# KiCad board HVC-CPU-07.kicad_pcb (continued)
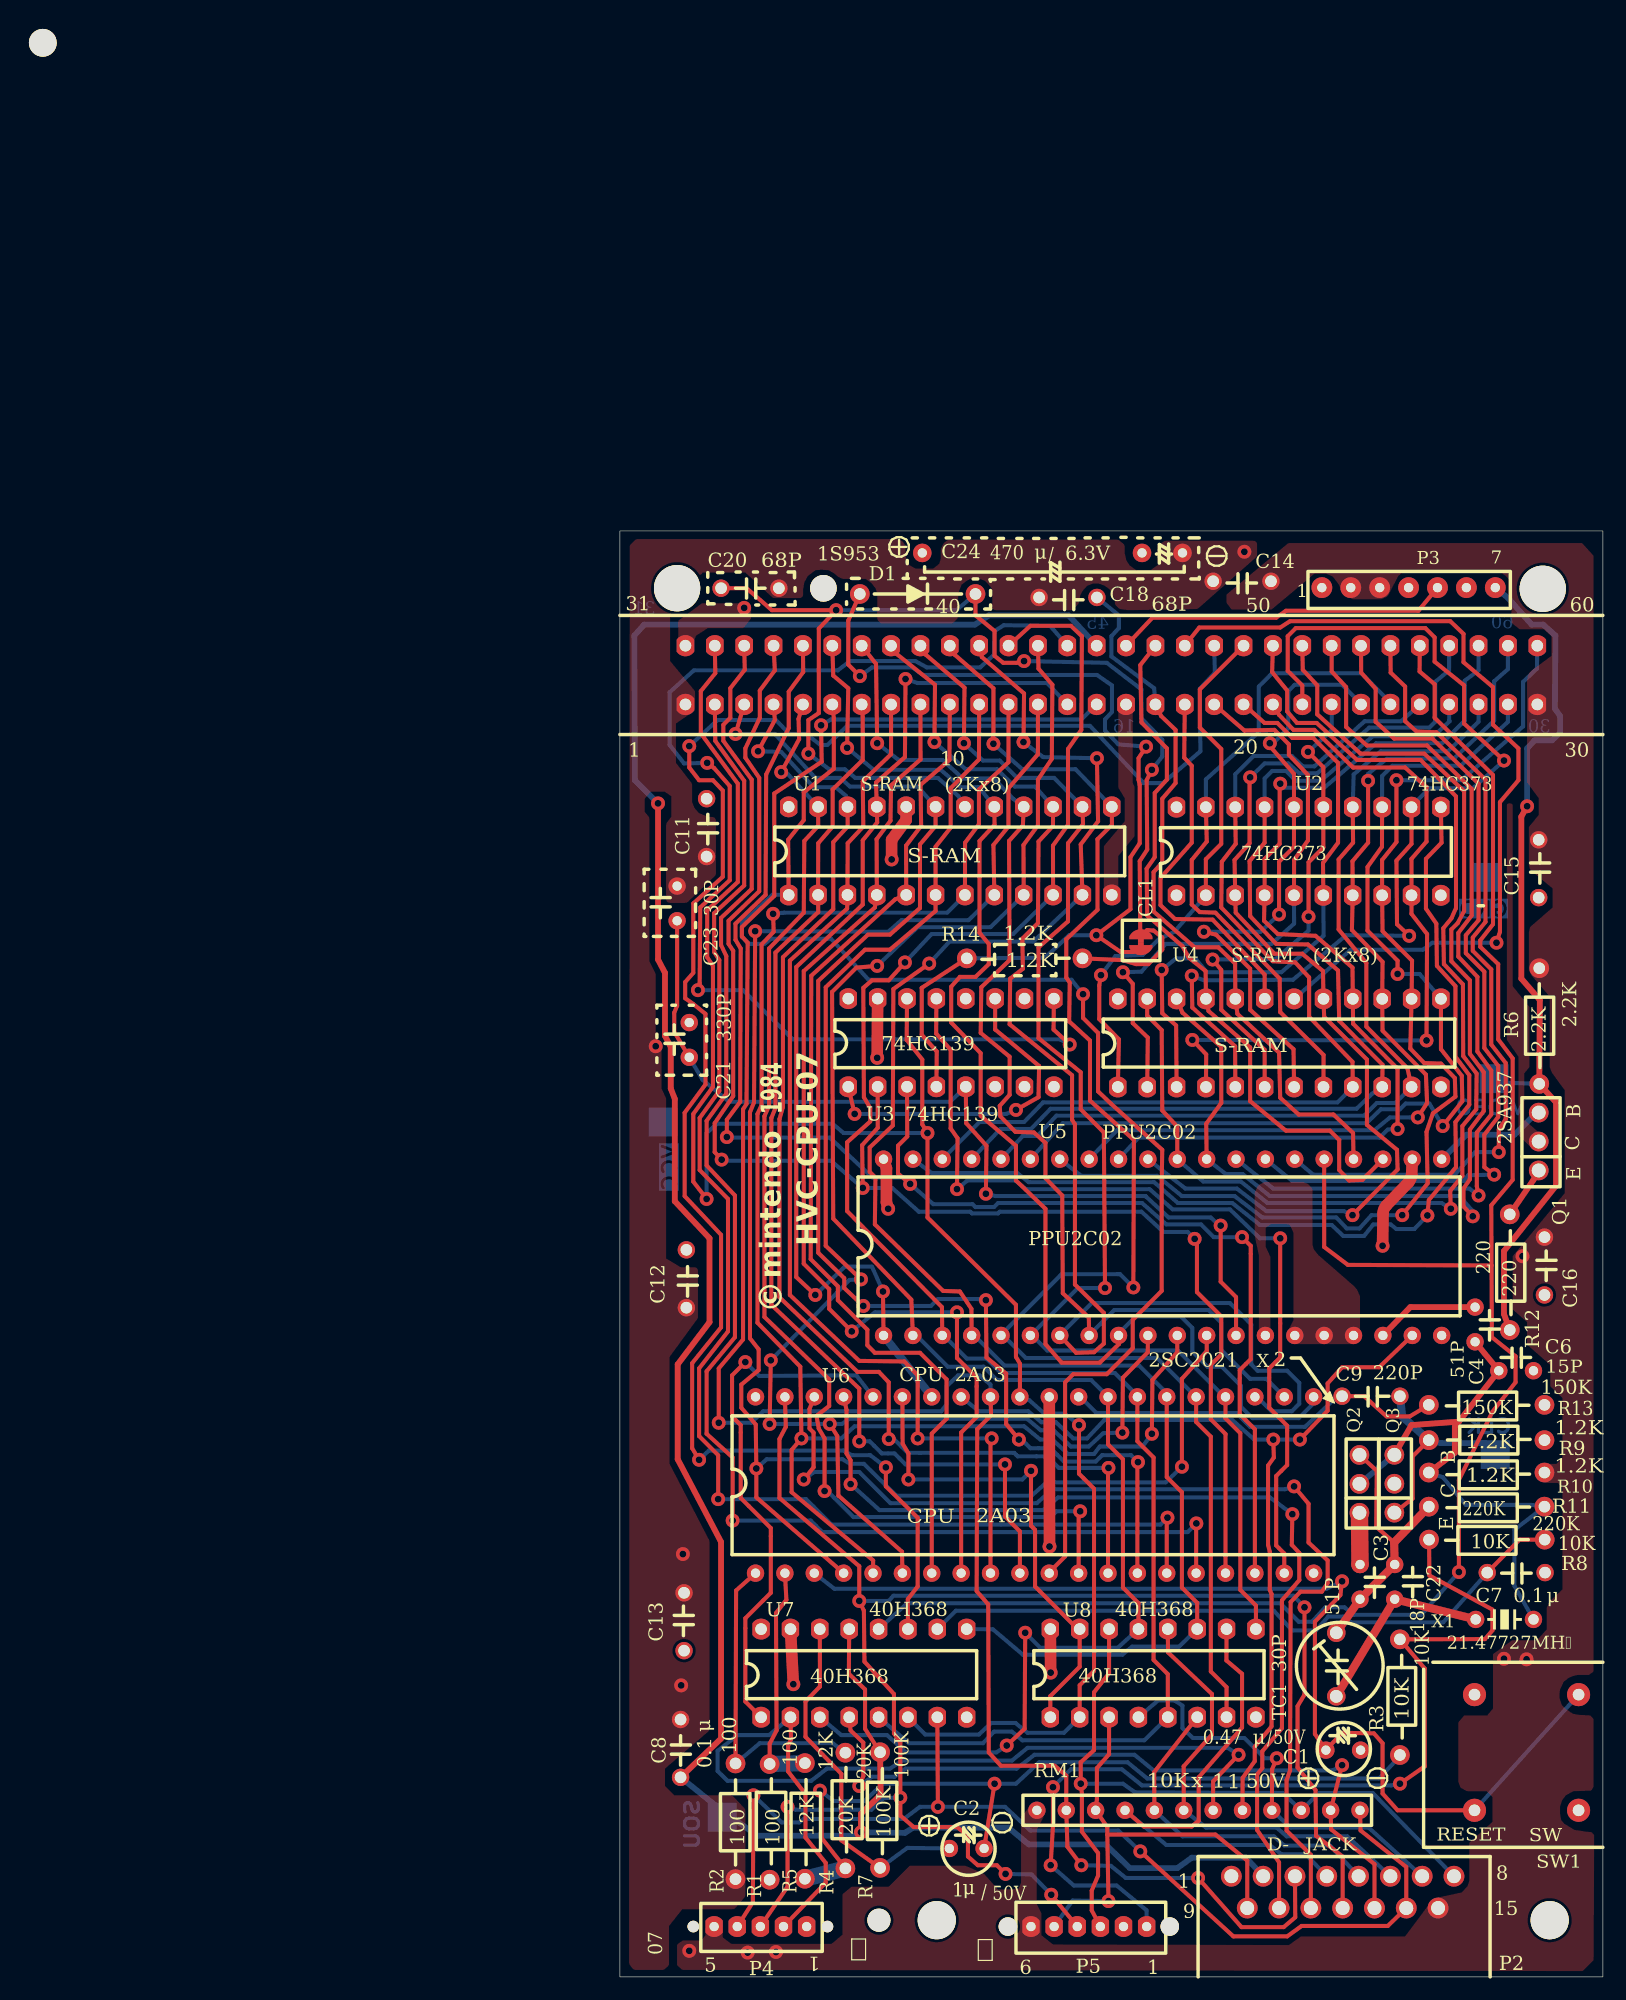
[diagram p0: board, top side]
## Copper pours and planes (outline as drawn; the poured copper is in the pictures) (continued)
GND on Bottom: 9.15,6.4 9.15,10.8 9.8,11.5 13.8,11.5 14.45,10.8 14.45,7.75 15.65,6.8 16.35,6.8 19.65,7.95 23.45,7.95 25.05,9.6 30.55,9.6 32.15,8.2 32.15,3.8 33.1,2.9 42.25,2.9 42.85,3.55 42.85,4.3 44.25,4.25 44.25,3.6 44.9,2.9 48.3,2.9 49.2,3.7 49.25,6 52.1,9.15 53.4,8.05 52.7,7.25 52.7,5.05 53.55,4.3 71.25,4.3 73.5,6.5 73.5,9.75 72.85,10.35 71.5,10.4 73.1,12.7 74.9,12.7 76.05,13.75 76.05,15.6 82.2,22.35 83.95,22.4 84.2,22 84.25,1.55 83.35,0.6 15.6,0.65 15.25,1.1 15.25,5.1 14.4,5.85 9.65,5.85
GND on Bottom: 4.7,32.15 4.75,37.3 5.5,37.85 9.45,37.85 10.8,38.9 15.95,38.9 16.95,37.9 50.3,37.9 51,38.65 51,40.85 55.7,40.85 57.6,38.95 58.7,38.95 59.3,39.5 59.3,42.95 58.8,43.45 57.75,43.45 56.95,42.65 49.9,42.65 49.55,42.95 49.55,47.05 50,47.45 52.85,47.45 55.15,45.45 59.05,45.45 59.8,46 59.8,47.35 61.9,49 63,49 63.8,49.6 63.8,50.9 63.15,51.5 59.3,51.5 57.9,53.05 55.45,53.05 55.1,53.35 55.1,57.75 55.6,58.3 61.25,58.3 62.95,59.65 64.95,59.65 64.95,56.75 64.35,56.35 64.35,54.85 65,54.25 67,54.25 67,51.5 66.25,50.75 66.25,47.1 65.65,46.6 63.4,46.6 62.75,45.9 62.75,41.8 63.45,41.2 64.4,41.2 65,40.6 65,35.95 64.6,35.2 63.35,35.2 63.1,35.65 62.6,35.95 62.15,35.95 61.2,35.15 60.95,34.65 59.3,34.6 58.3,36.3 10.05,36.35 9.2,35.7 9.2,34.05 9.7,33.45 14.55,33.45 15.4,32.85 15.4,30.05 14.2,30.05 13.95,30.55 13.3,31.45 5.3,31.45

## Text on the board
Bottom: 31 | 45 | 16 | 60 | 30
F.Silkscreen: ⊕ | ⊖ | /50V | 220K | 50V | X | S-RAM | 470 | 0.47 | 74HC373 | 20K | 100K | 18P | 10K | 220 | 07 | 30P | 330P | 2SA937 | 1984 | D- | JACK | RESET | SW | 15P | 51P | 40H368 | 1S953 | 74HC139 | CPU | (2Kx8) | 1 | 2A03 | μ | / | PPU2C02 | 6.3V | 2SC2021 | 2 | 220P | 150K | 0.1 | 100 | 12K | E | B | C | 2.2K | 68P | 1.2K | x | mintendo | HVC-CPU-07 | Ⅰ | Ⅱ | ©
